# Altium PCB mppt.PcbDoc (part 2 of 3) (continued)
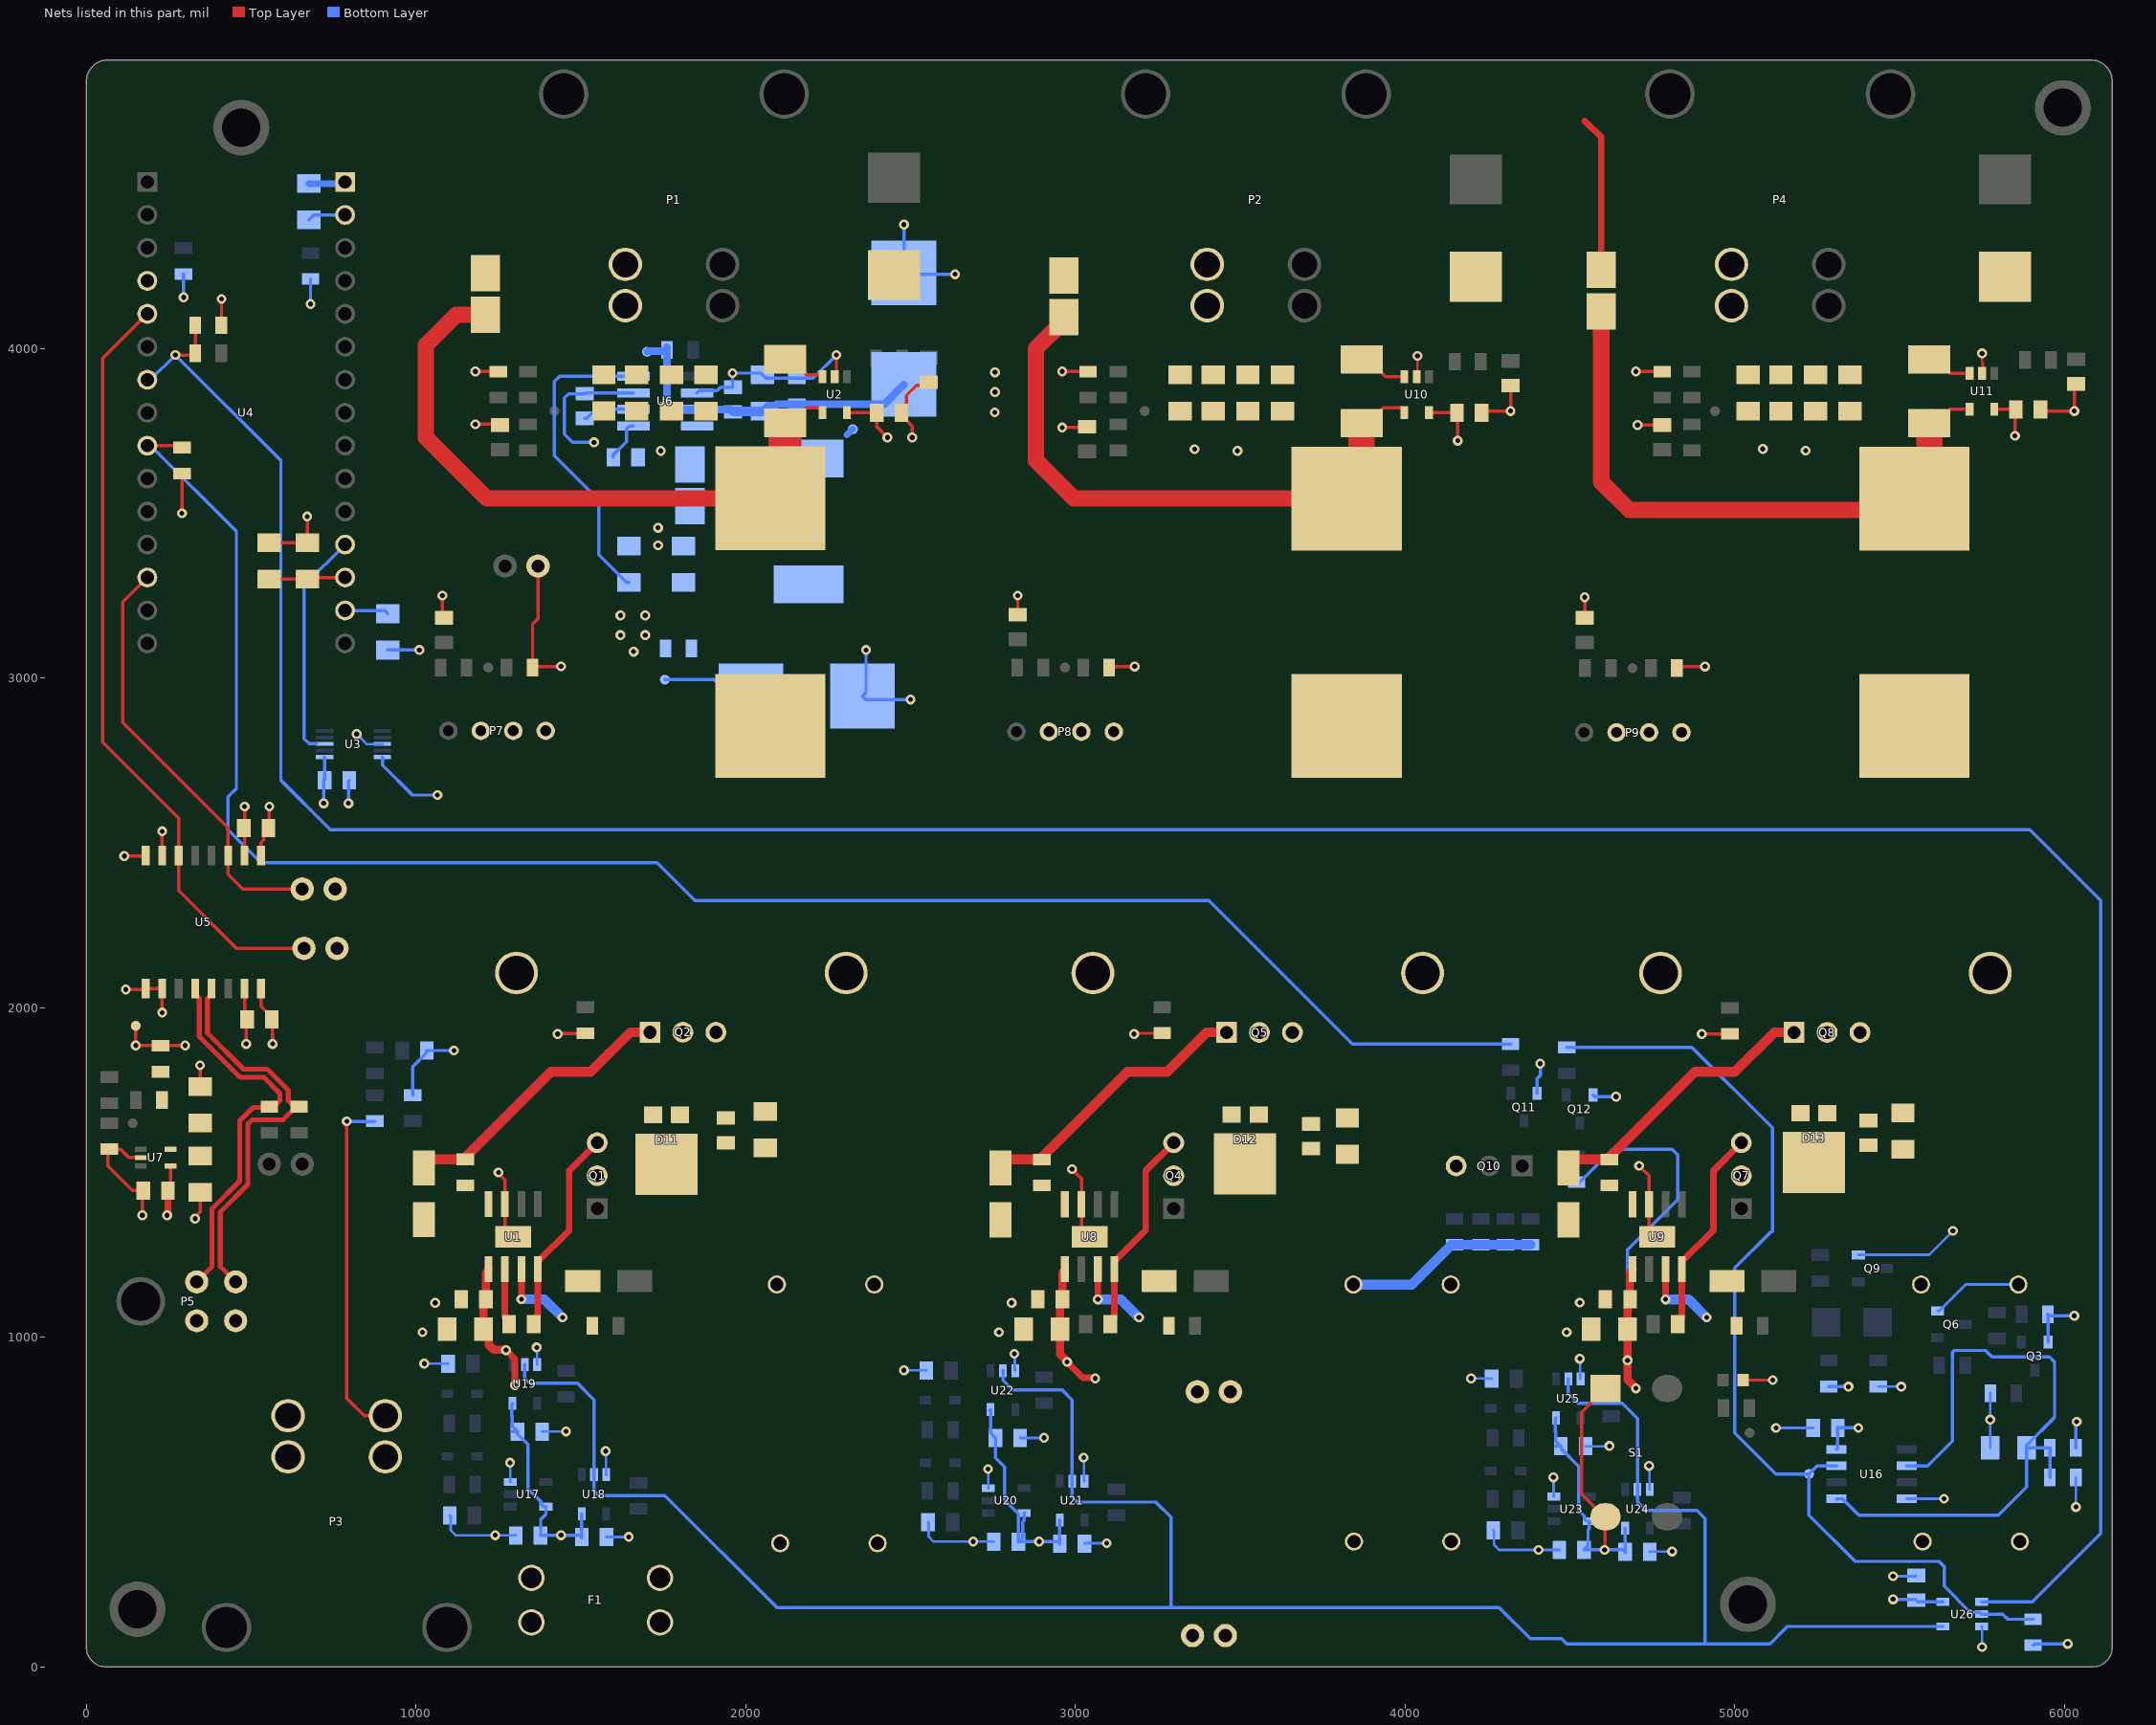
[diagram p4: the nets of this part, all layers, seen from the top]
## Part data (continued)
Q6 Q9 Q11 Q12: "Small Signal Bipolar Transistor, 0.5A I(C), 45V V(BR)CEO, 1-Element, NPN, Silicon", Collector-base Capacitance-Max=4.5pF, Collector-emitter Voltage-Max=45V, DC Current Gain-Min (hFE)=100, Manufacturer="ON Semiconductor / Fairchild", Max Collector Current=500mA, Max Operating Temperature=150°C, Package Body Material=Plastic, Package Shape=Rectangular, Package Style="SMALL OUTLINEMeter", Power Dissipation-Max (Abs)=350mW, Supplier Part Number 1=31Y2763, Transition Frequency-Nom (fT)=250MHz, Category=BJTs, ComponentLink1Description=https://datasheet.ciiva.com:443/pdfs/VipMasterIC/IC/ONSM/ONSM-S-A0003589371/ONSM-S-A0003589371-1.pdf?src-supplier=IHS+Markit, ComponentLink1URL=https://datasheet.ciiva.com:443/pdfs/VipMasterIC/IC/ONSM/ONSM-S-A0003589371/ONSM-S-A0003589371-1.pdf?src-supplier=IHS+Markit, ComponentLink2Description=https://datasheet.ciiva.com/4721/mmbt100-196018-4721422.pdf?src-supplier=Mouser, ComponentLink2URL=https://datasheet.ciiva.com/4721/mmbt100-196018-4721422.pdf?src-supplier=Mouser, ComponentLink3Description=https://datasheet.ciiva.com/11206/pn100a-11206125.pdf?src-supplier=Avnet, ComponentLink3URL=https://datasheet.ciiva.com/11206/pn100a-11206125.pdf?src-supplier=Avnet, ComponentLink4Description=https://datasheet.ciiva.com/26114/pn100a-26114236.pdf?src-supplier=Avnet+Europe, ComponentLink4URL=https://datasheet.ciiva.com/26114/pn100a-26114236.pdf?src-supplier=Avnet+Europe, ComponentLink5Description=https://datasheet.ciiva.com/11198/pn100a-11198959.pdf?src-supplier=Avnet, ComponentLink5URL=https://datasheet.ciiva.com/11198/pn100a-11198959.pdf?src-supplier=Avnet, ComponentLink6Description=https://datasheet.ciiva.com/6361/mmbt100-6361016.pdf?src-supplier=Digi-Key, ComponentLink6URL=https://datasheet.ciiva.com/6361/mmbt100-6361016.pdf?src-supplier=Digi-Key, ComponentLink7Description=https://datasheet.ciiva.com/6356/mmbt100-6356120.pdf?src-supplier=Digi-Key, ComponentLink7URL=https://datasheet.ciiva.com/6356/mmbt100-6356120.pdf?src-supplier=Digi-Key, ComponentLink8Description=https://datasheet.ciiva.com/6361/mmbt100-6361014.pdf?src-supplier=Digi-Key, ComponentLink8URL=https://datasheet.ciiva.com/6361/mmbt100-6361014.pdf?src-supplier=Digi-Key, JESD-30 Code=R-PDSO-G3, Manufacturer Part Number=MMBT100, Moisture Sensitivity Level=1, Number of Elements=1, Number of Pins=3, Polarity/Channel Type=NPN, Pricing 1="1=0.35700, 5=0.35700, 10=0.24700, 100=0.10500 (USD)", Qualification Status="Not Qualified", REACH SVHC=Yes, RoHS=Yes, RoHS Compliant=Yes, Stock 1=66397, Supplier 1=Newark, Surface Mount=Yes, Terminal Form="Gull Wing", Terminal Position=DUAL, Transistor Application=AMPLIFIER, Transistor Element Material=SILICON, VCEsat-Max=200mV
R1 R22 R30: library part PMR100HZPFU10L0, "Fixed Resistor, Metal Strip, 2W, 0.01ohm, 1% +/-Tol, 100ppm/Cel, Surface Mount, 2512", Manufacturer=Rohm, Max Operating Temperature=155°C, Min Operating Temperature=-55°C, Package Length=6.4mm, Package Shape=Rectangular, Package Style=SMTMeter, Package Width=3.2mm, Rated Power Dissipation (P)=2W, Rated Temperature=70°C, Resistance=10mR, Resistor Type="FIXED RESISTOR", Supplier Part Number 1=RHM.010AUCT-ND, Temperature Coefficient=100ppm/°C, Tolerance=1%, Category="Chip SMD Resistors", ComponentLink1Description=https://datasheet.ciiva.com:443/pdfs/VipMasterIC/IC/ROHM/ROHM-S-A0002955119/ROHM-S-A0002955119-1.pdf?src-supplier=IHS+Markit, ComponentLink1URL=https://datasheet.ciiva.com:443/pdfs/VipMasterIC/IC/ROHM/ROHM-S-A0002955119/ROHM-S-A0002955119-1.pdf?src-supplier=IHS+Markit, ComponentLink2Description=https://datasheet.ciiva.com/2481/pmr-2481518.pdf?src-supplier=Digi-Key, ComponentLink2URL=https://datasheet.ciiva.com/2481/pmr-2481518.pdf?src-supplier=Digi-Key, ComponentLink3Description=https://datasheet.ciiva.com/2481/pmr-2481519.pdf?src-supplier=Digi-Key, ComponentLink3URL=https://datasheet.ciiva.com/2481/pmr-2481519.pdf?src-supplier=Digi-Key, ComponentLink4Description=https://datasheet.ciiva.com/2481/pmr-2481517.pdf?src-supplier=Digi-Key, ComponentLink4URL=https://datasheet.ciiva.com/2481/pmr-2481517.pdf?src-supplier=Digi-Key, ComponentLink5Description=https://datasheet.ciiva.com/16477/pmr-16477834.pdf?src-supplier=Future+Electronics, ComponentLink5URL=https://datasheet.ciiva.com/16477/pmr-16477834.pdf?src-supplier=Future+Electronics, Construction=Chip, JESD-609 Code=e3, Manufacturer Part Number=PMR100HZPFU10L0, Mount="Surface Mount", Number of Pins=2, Packaging="Tape and Reel", Pricing 1="1=0.70000, 10=0.51800, 25=0.42080, 50=0.36600, 100=0.30200, 250=0.26232, 500=0.21350, 1000=0.16934 (USD)", REACH SVHC=Yes, Reference Standard=AEC-Q200, RoHS=Yes, RoHS Compliant=Yes, Size Code=2512, Stock 1=174138, Supplier 1=Digi-Key, Technology="METAL ALLOY", Terminal Finish=Nickel, Termination=Wraparound
R2 R13 R20 R23 R31 R35 R40 R43 R46 R49 R64 R71 R72 R73: library part ERJ-6GEYJ102V, "RES SMD 1K OHM 5% 1/8W 0805", Digi-Key Part Number=P1.0KACT-ND, Manufacturer="Panasonic Electronic Components", Operating Temperature="-55°C ~ 155°C", Package / Case="0805 (2012 Metric)", Power (Watts)="0.125W, 1/8W", Supplier Device Package=0805, Temperature Coefficient=±200ppm/°C, Tolerance=±5%, @ qty=1500, Composition="Thick Film", Datasheets=http://industrial.panasonic.com/www-cgi/jvcr13pz.cgi?E+PZ+3+AOA0001+ERJ6GEYJ102V+7+WW, Factory Stock=0, Failure Rate=-, Features="Automotive AEC-Q200", Height - Seated (Max)="0.028\" (0.70mm)", Image=//media.digikey.com/Renders/Panasonic%20Renders/ERJ-0805%20Pkg.jpg, Minimum Quantity=1, Number of Terminations=2, Packaging="Cut Tape (CT)", Part Number=ERJ-6GEYJ102V, Part Status=Active, Quantity Available=1082417, Series=ERJ, Size / Dimension="0.079\" L x 0.049\" W (2.00mm x 1.25mm)", Unit Price (USD)=0.00496
R3 R10 R16 R24 R29 R32 R65: library part ERJ-6ENF1003V, "RES SMD 100K OHM 1% 1/8W 0805", Digi-Key Part Number=P100KCCT-ND, Manufacturer="Panasonic Electronic Components", Operating Temperature="-55°C ~ 155°C", Package / Case="0805 (2012 Metric)", Power (Watts)="0.125W, 1/8W", Supplier Device Package=0805, Temperature Coefficient=±100ppm/°C, Tolerance=±1%, @ qty=1500, Composition="Thick Film", Datasheets=http://industrial.panasonic.com/www-cgi/jvcr13pz.cgi?E+PZ+3+AOA0002+ERJ6ENF1003V+7+WW, Factory Stock=0, Failure Rate=-, Features="Automotive AEC-Q200", Height - Seated (Max)="0.028\" (0.70mm)", Image=//media.digikey.com/Renders/Panasonic%20Renders/ERJ-0805%20Pkg.jpg, Minimum Quantity=1, Number of Terminations=2, Packaging="Cut Tape (CT)", Part Number=ERJ-6ENF1003V, Part Status=Active, Quantity Available=760677, Series=ERJ, Size / Dimension="0.079\" L x 0.049\" W (2.00mm x 1.25mm)", Unit Price (USD)=0.00729
R4 R25 R33: library part ERJ-6ENF3301V, "RES SMD 3.3K OHM 1% 1/8W 0805", Digi-Key Part Number=P3.30KCCT-ND, Manufacturer="Panasonic Electronic Components", Operating Temperature="-55°C ~ 155°C", Package / Case="0805 (2012 Metric)", Power (Watts)="0.125W, 1/8W", Supplier Device Package=0805, Temperature Coefficient=±100ppm/°C, Tolerance=±1%, @ qty=1500, Composition="Thick Film", Datasheets=http://industrial.panasonic.com/www-cgi/jvcr13pz.cgi?E+PZ+3+AOA0002+ERJ6ENF3301V+7+WW, Factory Stock=0, Failure Rate=-, Features="Automotive AEC-Q200", Height - Seated (Max)="0.028\" (0.70mm)", Image=//media.digikey.com/Renders/Panasonic%20Renders/ERJ-0805%20Pkg.jpg, Minimum Quantity=1, Number of Terminations=2, Packaging="Cut Tape (CT)", Part Number=ERJ-6ENF3301V, Part Status=Active, Quantity Available=89456, Series=ERJ, Size / Dimension="0.079\" L x 0.049\" W (2.00mm x 1.25mm)", Unit Price (USD)=0.00729
R5 R7 R26 R28 R34 R36: library part ERJ-P06J200V, "RES SMD 20 OHM 5% 1/2W 0805", Digi-Key Part Number=P20ADCT-ND, Manufacturer="Panasonic Electronic Components", Operating Temperature="-55°C ~ 155°C", Package / Case="0805 (2012 Metric)", Power (Watts)="0.5W, 1/2W", Supplier Device Package=0805, Temperature Coefficient=±300ppm/°C, Tolerance=±5%, @ qty=1500, Composition="Thick Film", Datasheets=https://industrial.panasonic.com/cdbs/www-data/pdf/RDA0000/AOA0000C243.pdf, Factory Stock=0, Failure Rate=-, Features="Automotive AEC-Q200, Pulse Withstanding", Height - Seated (Max)="0.028\" (0.70mm)", Image=//media.digikey.com/Renders/Panasonic%20Renders/ERJ-0805%20Pkg.jpg, Minimum Quantity=1, Number of Terminations=2, Packaging="Cut Tape (CT)", Part Number=ERJ-P06J200V, Part Status=Active, Quantity Available=111788, Series=ERJ, Size / Dimension="0.079\" L x 0.049\" W (2.00mm x 1.25mm)", Unit Price (USD)=0.01839
  R5 R26 R34: DNP=DNP
R6 R9 R11 R12 R21 R27 R37 R38 R41 R44 R47 R63 R70 R74: library part ERJ-P06J103V, "RES SMD 10K OHM 5% 1/2W 0805", Digi-Key Part Number=P10KADCT-ND, Manufacturer="Panasonic Electronic Components", Operating Temperature="-55°C ~ 155°C", Package / Case="0805 (2012 Metric)", Power (Watts)="0.5W, 1/2W", Supplier Device Package=0805, Temperature Coefficient=±200ppm/°C, Tolerance=±5%, @ qty=1500, Composition="Thick Film", Datasheets=https://industrial.panasonic.com/cdbs/www-data/pdf/RDA0000/AOA0000C243.pdf, Factory Stock=0, Failure Rate=-, Features="Automotive AEC-Q200, Pulse Withstanding", Height - Seated (Max)="0.028\" (0.70mm)", Image=//media.digikey.com/Renders/Panasonic%20Renders/ERJ-0805%20Pkg.jpg, Minimum Quantity=1, Number of Terminations=2, Packaging="Cut Tape (CT)", Part Number=ERJ-P06J103V, Part Status=Active, Quantity Available=413576, Series=ERJ, Size / Dimension="0.079\" L x 0.049\" W (2.00mm x 1.25mm)", Unit Price (USD)=0.01839
R8: library part ERJ-6ENF1004V, "RES SMD 1M OHM 1% 1/8W 0805", Digi-Key Part Number=P1.00MCCT-ND, Manufacturer="Panasonic Electronic Components", Operating Temperature="-55°C ~ 155°C", Package / Case="0805 (2012 Metric)", Power (Watts)="0.125W, 1/8W", Supplier Device Package=0805, Temperature Coefficient=±100ppm/°C, Tolerance=±1%, @ qty=1500, Composition="Thick Film", Datasheets=http://industrial.panasonic.com/www-cgi/jvcr13pz.cgi?E+PZ+3+AOA0002+ERJ6ENF1004V+7+WW, Factory Stock=0, Failure Rate=-, Features="Automotive AEC-Q200", Height - Seated (Max)="0.028\" (0.70mm)", Image=//media.digikey.com/Renders/Panasonic%20Renders/ERJ-0805%20Pkg.jpg, Minimum Quantity=1, Number of Terminations=2, Packaging="Cut Tape (CT)", Part Number=ERJ-6ENF1004V, Part Status=Active, Quantity Available=710452, Series=ERJ, Size / Dimension="0.079\" L x 0.049\" W (2.00mm x 1.25mm)", Unit Price (USD)=0.00729
R14 R15: library part ERJ-6ENF60R4V, "RES SMD 60.4 OHM 1% 1/8W 0805", Digi-Key Part Number=P60.4CCT-ND, Manufacturer="Panasonic Electronic Components", Operating Temperature="-55°C ~ 155°C", Package / Case="0805 (2012 Metric)", Power (Watts)="0.125W, 1/8W", Supplier Device Package=0805, Temperature Coefficient=±100ppm/°C, Tolerance=±1%, @ qty=1500, Composition="Thick Film", Datasheets=http://industrial.panasonic.com/www-cgi/jvcr13pz.cgi?E+PZ+3+AOA0002+ERJ6ENF60R4V+7+WW, Factory Stock=0, Failure Rate=-, Features="Automotive AEC-Q200", Height - Seated (Max)="0.028\" (0.70mm)", Image=//media.digikey.com/Renders/Panasonic%20Renders/ERJ-0805%20Pkg.jpg, Minimum Quantity=1, Number of Terminations=2, Packaging="Cut Tape (CT)", Part Number=ERJ-6ENF60R4V, Part Status=Active, Quantity Available=57422, Series=ERJ, Size / Dimension="0.079\" L x 0.049\" W (2.00mm x 1.25mm)", Unit Price (USD)=0.00729
R17 R18 R19 R50 R52 R54 R56 R58 R60: library part ERJ-6GEY0R00V, "RES SMD 0.0 OHM JUMPER 1/8W 0805", Digi-Key Part Number=P0.0ACT-ND, Manufacturer="Panasonic Electronic Components", Operating Temperature="-55°C ~ 155°C", Package / Case="0805 (2012 Metric)", Power (Watts)="0.125W, 1/8W", Supplier Device Package=0805, Temperature Coefficient=-, Tolerance=Jumper, @ qty=1500, Composition="Thick Film", Datasheets=http://industrial.panasonic.com/www-cgi/jvcr13pz.cgi?E+PZ+3+AOA0001+ERJ6GEY0R00V+7+WW, Factory Stock=0, Failure Rate=-, Features="Automotive AEC-Q200", Height - Seated (Max)="0.028\" (0.70mm)", Image=//media.digikey.com/Renders/Panasonic%20Renders/ERJ-0805%20Pkg.jpg, Minimum Quantity=1, Number of Terminations=2, Packaging="Cut Tape (CT)", Part Number=ERJ-6GEY0R00V, Part Status=Active, Quantity Available=1597627, Series=ERJ, Size / Dimension="0.079\" L x 0.049\" W (2.00mm x 1.25mm)", Unit Price (USD)=0.00544
  R50 R54 R58: DNP=DNP
R39 R42 R45 R62: library part ERJ-6ENF3002V, "RES SMD 30K OHM 1% 1/8W 0805", Digi-Key Part Number=P30.0KCCT-ND, Manufacturer="Panasonic Electronic Components", Operating Temperature="-55°C ~ 155°C", Package / Case="0805 (2012 Metric)", Power (Watts)="0.125W, 1/8W", Supplier Device Package=0805, Temperature Coefficient=±100ppm/°C, Tolerance=±1%, @ qty=1500, Composition="Thick Film", Datasheets=http://industrial.panasonic.com/www-cgi/jvcr13pz.cgi?E+PZ+3+AOA0002+ERJ6ENF3002V+7+WW, Factory Stock=0, Failure Rate=-, Features="Automotive AEC-Q200", Height - Seated (Max)="0.028\" (0.70mm)", Image=//media.digikey.com/Renders/Panasonic%20Renders/ERJ-0805%20Pkg.jpg, Minimum Quantity=1, Number of Terminations=2, Packaging="Cut Tape (CT)", Part Number=ERJ-6ENF3002V, Part Status=Active, Quantity Available=88046, Series=ERJ, Size / Dimension="0.079\" L x 0.049\" W (2.00mm x 1.25mm)", Unit Price (USD)=0.00729
R48: library part ERJ-6ENF3300V, "RES SMD 330 OHM 1% 1/8W 0805", Digi-Key Part Number=P330CCT-ND, Manufacturer="Panasonic Electronic Components", Operating Temperature="-55°C ~ 155°C", Package / Case="0805 (2012 Metric)", Power (Watts)="0.125W, 1/8W", Supplier Device Package=0805, Temperature Coefficient=±100ppm/°C, Tolerance=±1%, @ qty=1500, Composition="Thick Film", Datasheets=http://industrial.panasonic.com/www-cgi/jvcr13pz.cgi?E+PZ+3+AOA0002+ERJ6ENF3300V+7+WW, Factory Stock=0, Failure Rate=-, Features="Automotive AEC-Q200", Height - Seated (Max)="0.028\" (0.70mm)", Image=//media.digikey.com/Renders/Panasonic%20Renders/ERJ-0805%20Pkg.jpg, Minimum Quantity=1, Number of Terminations=2, Packaging="Cut Tape (CT)", Part Number=ERJ-6ENF3300V, Part Status=Active, Quantity Available=297770, Series=ERJ, Size / Dimension="0.079\" L x 0.049\" W (2.00mm x 1.25mm)", Unit Price (USD)=0.00729
R51 R53 R55 R57 R59 R61: library part ERJ-6RQF1R0V, "RES SMD 1 OHM 1% 1/8W 0805", Digi-Key Part Number=P1.0DCT-ND, Manufacturer="Panasonic Electronic Components", Operating Temperature="-55°C ~ 125°C", Package / Case="0805 (2012 Metric)", Power (Watts)="0.125W, 1/8W", Supplier Device Package=0805, Temperature Coefficient=±200ppm/°C, Tolerance=±1%, @ qty=1500, Composition="Thick Film", Datasheets=https://industrial.panasonic.com/cdbs/www-data/pdf/RDA0000/AOA0000C239.pdf, Factory Stock=0, Failure Rate=-, Features="Automotive AEC-Q200, Current Sense", Height - Seated (Max)="0.028\" (0.70mm)", Image=//media.digikey.com/Renders/Panasonic%20Renders/ERJ-0805%20Pkg.jpg, Minimum Quantity=1, Number of Terminations=2, Packaging="Cut Tape (CT)", Part Number=ERJ-6RQF1R0V, Part Status=Active, Quantity Available=14361, Series=ERJ, Size / Dimension="0.079\" L x 0.049\" W (2.00mm x 1.25mm)", Unit Price (USD)=0.06993
  R51 R55 R59: DNP=DNP
R66 R67 R68 R69: library part ERJ-6ENF2003V, "RES SMD 200K OHM 1% 1/8W 0805", Digi-Key Part Number=P200KCCT-ND, Manufacturer="Panasonic Electronic Components", Operating Temperature="-55°C ~ 155°C", Package / Case="0805 (2012 Metric)", Power (Watts)="0.125W, 1/8W", Supplier Device Package=0805, Temperature Coefficient=±100ppm/°C, Tolerance=±1%, @ qty=1500, Composition="Thick Film", Datasheets=http://industrial.panasonic.com/www-cgi/jvcr13pz.cgi?E+PZ+3+AOA0002+ERJ6ENF2003V+7+WW, Factory Stock=0, Failure Rate=-, Features="Automotive AEC-Q200", Height - Seated (Max)="0.028\" (0.70mm)", Image=//media.digikey.com/Renders/Panasonic%20Renders/ERJ-0805%20Pkg.jpg, Minimum Quantity=1, Number of Terminations=2, Packaging="Cut Tape (CT)", Part Number=ERJ-6ENF2003V, Part Status=Active, Quantity Available=23653, Series=ERJ, Size / Dimension="0.079\" L x 0.049\" W (2.00mm x 1.25mm)", Unit Price (USD)=0.00729
S1: library part K12SCS1.55NOLFTX, "OFF-mom push button SPST K12SCS1.55NOLFTX", Current Rating=100mA, Manufacturer="ITT C&K", Max Operating Temperature=85°C, Min Operating Temperature=-40°C, Ratings=IP40, Supplier Part Number 1=CKN10790CT-ND, Voltage Rating (DC)=30V, Actuator Type="Round, Button", ComponentLink1Description=https://www.ckswitches.com/media/1338/k12s.pdf?src-supplier=Digi-Key, ComponentLink1URL=https://www.ckswitches.com/media/1338/k12s.pdf?src-supplier=Digi-Key, ComponentLink2Description=https://www.digikey.com/product-detail/en/c-k/K12SCS1.55NOLFTX/CKN10790CT-ND/7056072, ComponentLink2URL=https://www.digikey.com/product-detail/en/c-k/K12SCS1.55NOLFTX/CKN10790CT-ND/7056072, Electrical Life=200000Cycles, Manufacturer Part Number=K12SCS1.55NOLFTX, Mechanical Life=200000Cycles, Mount="Surface Mount", Packaging="Cut Tape", Pricing 1="1=2.33, 10=2.175, 25=2.0716, 50=1.968, 100=1.9162, 250=1.86436 (USD)", Stock 1=4036, Supplier 1=Digi-Key, Switch Function=Off-Mom, Termination=SMD/SMT, Throw Configuration=SPST
TH1 TH2 TH3: "NTC THERMISTOR 4.7K OHM 5% 0805", Case Code (Imperial)=0805, Case Code (Metric)=2012, Current Rating=650uA, Manufacturer=Murata, Max Operating Temperature=125°C, Max Power Dissipation=200mW, Min Operating Temperature=-40°C, Package Quantity=4000, Resistance=4.7kR, Supplier Part Number 1=490-2453-1-ND, Tolerance=5%, Accuracy=3%, Case/Package=0805, ComponentLink1Description=https://datasheet.ciiva.com/30488/0900766b81259d06-30488337.pdf?src-supplier=RSComponents, ComponentLink1URL=https://datasheet.ciiva.com/30488/0900766b81259d06-30488337.pdf?src-supplier=RSComponents, ComponentLink2Description=https://datasheet.ciiva.com/2848/r44e-2848550.pdf?src-supplier=Digi-Key, ComponentLink2URL=https://datasheet.ciiva.com/2848/r44e-2848550.pdf?src-supplier=Digi-Key, ComponentLink3Description=https://datasheet.ciiva.com/24155/r44e-24155222.pdf?src-supplier=Future+Electronics, ComponentLink3URL=https://datasheet.ciiva.com/24155/r44e-24155222.pdf?src-supplier=Future+Electronics, ComponentLink4Description=https://datasheet.ciiva.com/2848/r44e-2848551.pdf?src-supplier=Digi-Key, ComponentLink4URL=https://datasheet.ciiva.com/2848/r44e-2848551.pdf?src-supplier=Digi-Key, ComponentLink5Description=https://datasheet.ciiva.com/2848/r44e-2848552.pdf?src-supplier=Digi-Key, ComponentLink5URL=https://datasheet.ciiva.com/2848/r44e-2848552.pdf?src-supplier=Digi-Key, ComponentLink6Description=https://datasheet.ciiva.com/16634/l0770c-16634105.pdf?src-supplier=Avnet+Europe, ComponentLink6URL=https://datasheet.ciiva.com/16634/l0770c-16634105.pdf?src-supplier=Avnet+Europe, ComponentLink7Description=https://datasheet.ciiva.com/3280/l0770c-3280522.pdf?src-supplier=Avnet, ComponentLink7URL=https://datasheet.ciiva.com/3280/l0770c-3280522.pdf?src-supplier=Avnet, Depth=1.25mm, Height=0.85mm, Lead Free="Lead Free", Length=2mm, Manufacturer Part Number=NCP21XM472J03RA, Mount="Surface Mount", Number of Pins=2, Packaging="Tape and Reel", Power Rating=200mW, Pricing 1="1=0.20000, 5=0.19400, 10=0.17300, 25=0.15920, 50=0.12760, 100=0.10930, 500=0.09564, 1000=0.08197 (USD)", Radiation Hardening=No, REACH SVHC="No SVHC", RoHS=Yes, Stock 1=51855, Supplier 1=Digi-Key, Termination=SMD/SMT, Width=1.25mm
TP1 TP2 TP5 TP6 TP7 TP8 TP9 TP10 TP12 TP13 TP18 TP21 TP24: "SMD TEST POINT"
U1 U8 U9: "Half Bridge Based MOSFET Driver, 2A, BICMOS, PDSO8", Manufacturer=Maxim, Max Operating Temperature=125°C, Max Supply Voltage=12.6V, Min Operating Temperature=-40°C, Min Supply Voltage=8V, Output Peak Current Limit-Nom=2A, Package Body Material=Plastic, Package Code=HLSOP, Package Equivalence Code=SOP8,.25, Package Shape=Rectangular, Package Style="SMALL OUTLINE, HEAT SINK/SLUG, LOW PROFILEMeter", Peak Reflow Temperature (Cel)=260°C, Power Supplies=12V, Supplier Part Number 1=700-MAX5063CASA, Temperature Grade=AUTOMOTIVE, Category="Gate Drivers", ComponentLink1Description=https://datasheet.ciiva.com:443/pdfs/VipMasterIC/IC/MAXM/MAXMS08132/MAXMS08132-1.pdf?src-supplier=IHS+Markit, ComponentLink1URL=https://datasheet.ciiva.com:443/pdfs/VipMasterIC/IC/MAXM/MAXMS08132/MAXMS08132-1.pdf?src-supplier=IHS+Markit, ComponentLink2Description=https://datasheet.ciiva.com/3228/max5062-max5064b-3228380.pdf?src-supplier=Avnet, ComponentLink2URL=https://datasheet.ciiva.com/3228/max5062-max5064b-3228380.pdf?src-supplier=Avnet, ComponentLink3Description=https://datasheet.ciiva.com/3228/max5062-max5064b-3228381.pdf?src-supplier=Avnet, ComponentLink3URL=https://datasheet.ciiva.com/3228/max5062-max5064b-3228381.pdf?src-supplier=Avnet, Height - Seated (Max)=1.68mm, High Side Driver=Yes, Interface IC Type="HALF BRIDGE BASED MOSFET DRIVER", JESD-30 Code=R-PDSO-G8, JESD-609 Code=e3, Length=4.89mm, Manufacturer Part Number=MAX5063CASA+, Moisture Sensitivity Level=1, Number of Functions=1, Number of Pins=8, Pricing 1="1=6.25000, 10=5.66000, 20=5.40000, 50=5.40000, 100=4.68000, 200=4.27000, 500=4.01000, 1000=3.92000, 2000=3.87000, 10000=3.87000 (USD)", Qualification Status="Not Qualified", REACH SVHC=Yes, RoHS=Yes, RoHS Compliant=Yes, Stock 1=196, Supplier 1=Mouser, Supply Voltage-Nom=12V, Surface Mount=Yes, Technology=BICMOS, Terminal Finish=Tin, Terminal Form="Gull Wing", Terminal Pitch=1.27mm, Terminal Position=DUAL, Turn-Off Delay Time=0.063us, Turn-On Delay Time=0.063us, Width=3.9mm
U2 U10 U11: "Operational Amplifier, 1 Func, 500uV Offset-Max, PDSO5", Manufacturer="Texas Instruments", Supplier Part Number 1=296-INA281A1QDBVRQ1CT-ND, Category="Amplifiers - Op Amps, Buffer, Instrumentation", Manufacturer Part Number=INA281A1QDBVRQ1, Pricing 1="1=3.10000, 10=2.78400, 25=2.62600, 100=2.23750, 250=2.10092, 500=1.83830, 1000=1.73425 (USD)", RoHS=Yes, Stock 1=2770, Supplier 1=Digi-Key
U3: "5-V, 4: 1, 1-channel, general-purpose analog multiplexer 10-VSSOP -40 to 125", Manufacturer="Texas Instruments", Supplier Part Number 1=296-TMUX1204DGSRCT-ND, Category="Decoders and Multiplexers", ComponentLink1Description=http://www.ti.com/general/docs/suppproductinfo.tsp?distId=10&amp;gotoUrl=http%3A%2F%2Fwww.ti.com%2Flit%2Fgpn%2Ftmux1204&src-supplier=Digi-Key, ComponentLink1URL=http://www.ti.com/general/docs/suppproductinfo.tsp?distId=10&amp;gotoUrl=http%3A%2F%2Fwww.ti.com%2Flit%2Fgpn%2Ftmux1204&src-supplier=Digi-Key, Pricing 1="1=0.99000, 10=0.86800, 25=0.81480, 100=0.66510, 250=0.61776, 500=0.52576, 1000=0.43400 (USD)", RoHS=Yes, Stock 1=243, Supplier 1=Digi-Key
U4: "BOARD NUCLEO STM32F303K8T6", Manufacturer=STMicroelectronics, Supplier Part Number 1=497-15981-ND, ComponentLink1Description=http://www.farnell.com/datasheets/2064195.pdf?src-supplier=Farnell, ComponentLink1URL=http://www.farnell.com/datasheets/2064195.pdf?src-supplier=Farnell, ComponentLink2Description=http://www.st.com/content/ccc/resource/technical/document/data_brief/b1/d8/13/d4/b0/b7/4b/6e/DM00214578.pdf/files/DM00214578.pdf/jcr:content/translations/en.DM00214578.pdf?src-supplier=Digi-Key, ComponentLink2URL=http://www.st.com/content/ccc/resource/technical/document/data_brief/b1/d8/13/d4/b0/b7/4b/6e/DM00214578.pdf/files/DM00214578.pdf/jcr:content/translations/en.DM00214578.pdf?src-supplier=Digi-Key, ComponentLink3Description=http://www.farnell.com/datasheets/1966773.pdf?src-supplier=Element14, ComponentLink3URL=http://www.farnell.com/datasheets/1966773.pdf?src-supplier=Element14, ComponentLink4Description=http://www.farnell.com/datasheets/2064195.pdf?src-supplier=Newark, ComponentLink4URL=http://www.farnell.com/datasheets/2064195.pdf?src-supplier=Newark, ComponentLink5Description=http://www.st.com/st-web-ui/static/active/en/resource/technical/document/user_manual/DM00116575.pdf?s_searchtype=keyword&src-supplier=Avnet+Asia, ComponentLink5URL=http://www.st.com/st-web-ui/static/active/en/resource/technical/document/user_manual/DM00116575.pdf?s_searchtype=keyword&src-supplier=Avnet+Asia, ComponentLink6Description=http://www.st.com/st-web-ui/static/active/en/resource/technical/document/user_manual/DM00116575.pdf?s_searchtype=keyword&src-supplier=Avnet, ComponentLink6URL=http://www.st.com/st-web-ui/static/active/en/resource/technical/document/user_manual/DM00116575.pdf?s_searchtype=keyword&src-supplier=Avnet, ComponentLink7Description=http://www.farnell.com/datasheets/2064195.pdf?src-supplier=Element14, ComponentLink7URL=http://www.farnell.com/datasheets/2064195.pdf?src-supplier=Element14, Core Architecture=ARM, Evaluation Kit=Yes, Lead Free="Lead Free", Manufacturer Part Number=NUCLEO-L432KC, Number of Bits=32, Pricing 1="1=10.99000 (USD)", Pricing 2="1=12.40000 (USD)", REACH SVHC="No SVHC", RoHS=Yes, Stock 1=171, Stock 2=56, Supplier 1=Digi-Key, Supplier 2=Newark, Supplier Part Number 2=96Y9505
U5: "IC TXRX/ISO HALF 1/1 16SOIC", Manufacturer="Texas Instruments", Max Operating Temperature=105°C, Min Operating Temperature=-55°C, Package Body Material=Plastic, Package Code=SOP, Package Shape=Rectangular, Package Style="SMALL OUTLINEMeter", Peak Reflow Temperature (Cel)=260°C, Supplier Part Number 1=595-ISO1050DWR, Supply Voltage-Nom=5V, Temperature Grade=OTHER, Category="Interface ICs", ComponentLink1Description=https://www.ti.com:443/lit/ds/symlink/iso1050.pdf?src-supplier=IHS+Markit, ComponentLink1URL=https://www.ti.com:443/lit/ds/symlink/iso1050.pdf?src-supplier=IHS+Markit, ComponentLink2Description=https://datasheet.ciiva.com/4782/slls983e-121851-4782209.pdf?src-supplier=Mouser, ComponentLink2URL=https://datasheet.ciiva.com/4782/slls983e-121851-4782209.pdf?src-supplier=Mouser, ComponentLink3Description=https://datasheet.ciiva.com/26913/getdatasheetpartid-573378-26913111.pdf?src-supplier=Verical, ComponentLink3URL=https://datasheet.ciiva.com/26913/getdatasheetpartid-573378-26913111.pdf?src-supplier=Verical, Height - Seated (Max)=2.65mm, JESD-30 Code=R-PDSO-G16, JESD-609 Code=e4, Length=10.3mm, Manufacturer Part Number=ISO1050DWR, Moisture Sensitivity Level=2, Number of Functions=1, Number of Pins=16, Pricing 1="1=6.50000, 10=5.84000, 25=5.52000, 50=5.52000, 100=4.79000, 1000=3.56000, 10000=3.56000 (USD)", Qualification Status="Not Qualified", REACH SVHC=Yes, RoHS=Yes, RoHS Compliant=Yes, Supplier 1=Mouser, Surface Mount=Yes, Telecom IC Type="INTERFACE CIRCUIT", Terminal Finish=Nickel, Terminal Form="Gull Wing", Terminal Pitch=1.27mm, Terminal Position=DUAL, Width=7.5mm
U6: "500mA, 76V, High-Efficiency, MAXPower Step-Down DC-DC Converter", Case/Package=SOIC, Manufacturer=Maxim, Max Input Voltage=76V, Max Operating Temperature=85°C, Max Output Current=500mA, Min Input Voltage=7.5V, Min Operating Temperature=0°C, Output Voltage=12V, Package Quantity=100, Switching Frequency=125kHz, Category="Voltage Regulators - Switching", ComponentLink1Description=https://datasheet.ciiva.com/2028/max5033-2028886.pdf?src-supplier=Digi-Key, ComponentLink1URL=https://datasheet.ciiva.com/2028/max5033-2028886.pdf?src-supplier=Digi-Key, ComponentLink2Description=https://datasheet.ciiva.com/3221/max5033-3221037.pdf?src-supplier=Avnet, ComponentLink2URL=https://datasheet.ciiva.com/3221/max5033-3221037.pdf?src-supplier=Avnet, ComponentLink3Description=https://datasheet.ciiva.com/17366/max5033-17366426.pdf?src-supplier=Avnet+Europe, ComponentLink3URL=https://datasheet.ciiva.com/17366/max5033-17366426.pdf?src-supplier=Avnet+Europe, Lead Free="Lead Free", Manufacturer Part Number=MAX5033CUSA+, Mount="Surface Mount", Number of Outputs=1, Number of Pins=8, Output Current=500mA, Output Type=Fixed, Packaging=Rail/Tube, Pricing 1="200=2.08005, 400=2.05065, 600=2.02125, 1000=1.99185, 2000=1.96245, 10000=1.93305, 20000=1.90365 (USD)", Radiation Hardening=No, RoHS=Yes, RoHS Compliant=Yes, Series=-, Stock 1=6317, Supplier 1=Avnet, Supplier Part Number 1=MAX5033CUSA+, Synchronous Rectifier=No
U7: "High input voltage - 85 mA LDO linear regulator, SOT323-5L, Tape and Reel", Manufacturer=STMicroelectronics, Supplier Part Number 1=497-ST715CRTR-ND, Manufacturer Part Number=ST715CR, Pricing 1="3000=0.39410 (USD)", RoHS=Yes, Stock 1=3000, Supplier 1=Digi-Key
U16: "IC OPAMP JFET 3MHZ 8SOIC", Case/Package=D, Dual Supply Voltage=9V, Input Bias Current=200pA, Input Offset Voltage (Vos)=10mV, Manufacturer="Texas Instruments", Max Dual Supply Voltage=18V, Max Operating Temperature=85°C, Min Dual Supply Voltage=3.5V, Min Operating Temperature=-40°C, Nominal Supply Current=5mA, Operating Supply Current=1.4mA, Package Quantity=1, Supplier Part Number 1=296-1282-6-ND, Voltage Gain=106.02dB, Bandwidth=3MHz, Common Mode Rejection Ratio=70dB, ComponentLink1Description=http://www.ti.com/lit/ds/symlink/tl071a.pdf?src-supplier=Digi-Key, ComponentLink1URL=http://www.ti.com/lit/ds/symlink/tl071a.pdf?src-supplier=Digi-Key, ComponentLink2Description=http://www.ti.com/general/docs/lit/getliterature.tsp?genericPartNumber=TL072&&fileType=pdf&src-supplier=Avnet, ComponentLink2URL=http://www.ti.com/general/docs/lit/getliterature.tsp?genericPartNumber=TL072&&fileType=pdf&src-supplier=Avnet, ComponentLink3Description=http://www.farnell.com/datasheets/1882732.pdf?src-supplier=Element14, ComponentLink3URL=http://www.farnell.com/datasheets/1882732.pdf?src-supplier=Element14, Contact Plating=Gold, Gain Bandwidth Product=3MHz, Height=1.58mm, Lead Free="Lead Free", Length=4.9mm, Manufacturer Part Number=TL072CDR, Max I/O Voltage=10mV, Max Supply Voltage=18V, Nominal Gain Bandwidth Product=3MHz, Number of Amplifiers=2, Number of Channels=2, Number of Circuits=2, Number of Elements=2, Number of Pins=8, Packaging="Tape and Reel", Pricing 1="1=0.41, 10=0.334, 100=0.2059, 500=0.1562, 1000=0.11715 (USD)", Radiation Hardening=No, REACH SVHC="No SVHC", Slew Rate=13V/µs, Stock 1=21821, Supplier 1=Digi-Key, Unity Gain Bandwidth Product=3MHz, Width=3.91mm